# Altium PCB SmartIMU_Dev_Pcb.PcbDoc
Units mil, origin at the board's own origin, x right, y up, seen from the top; angles counter-clockwise.
Board outline 1259.84 x 2362.21 mil, 2 copper layers (Top Layer, Bottom Layer), stack 65.354 mil thick; 73 components, 85 nets, 373 pads, 193 vias.
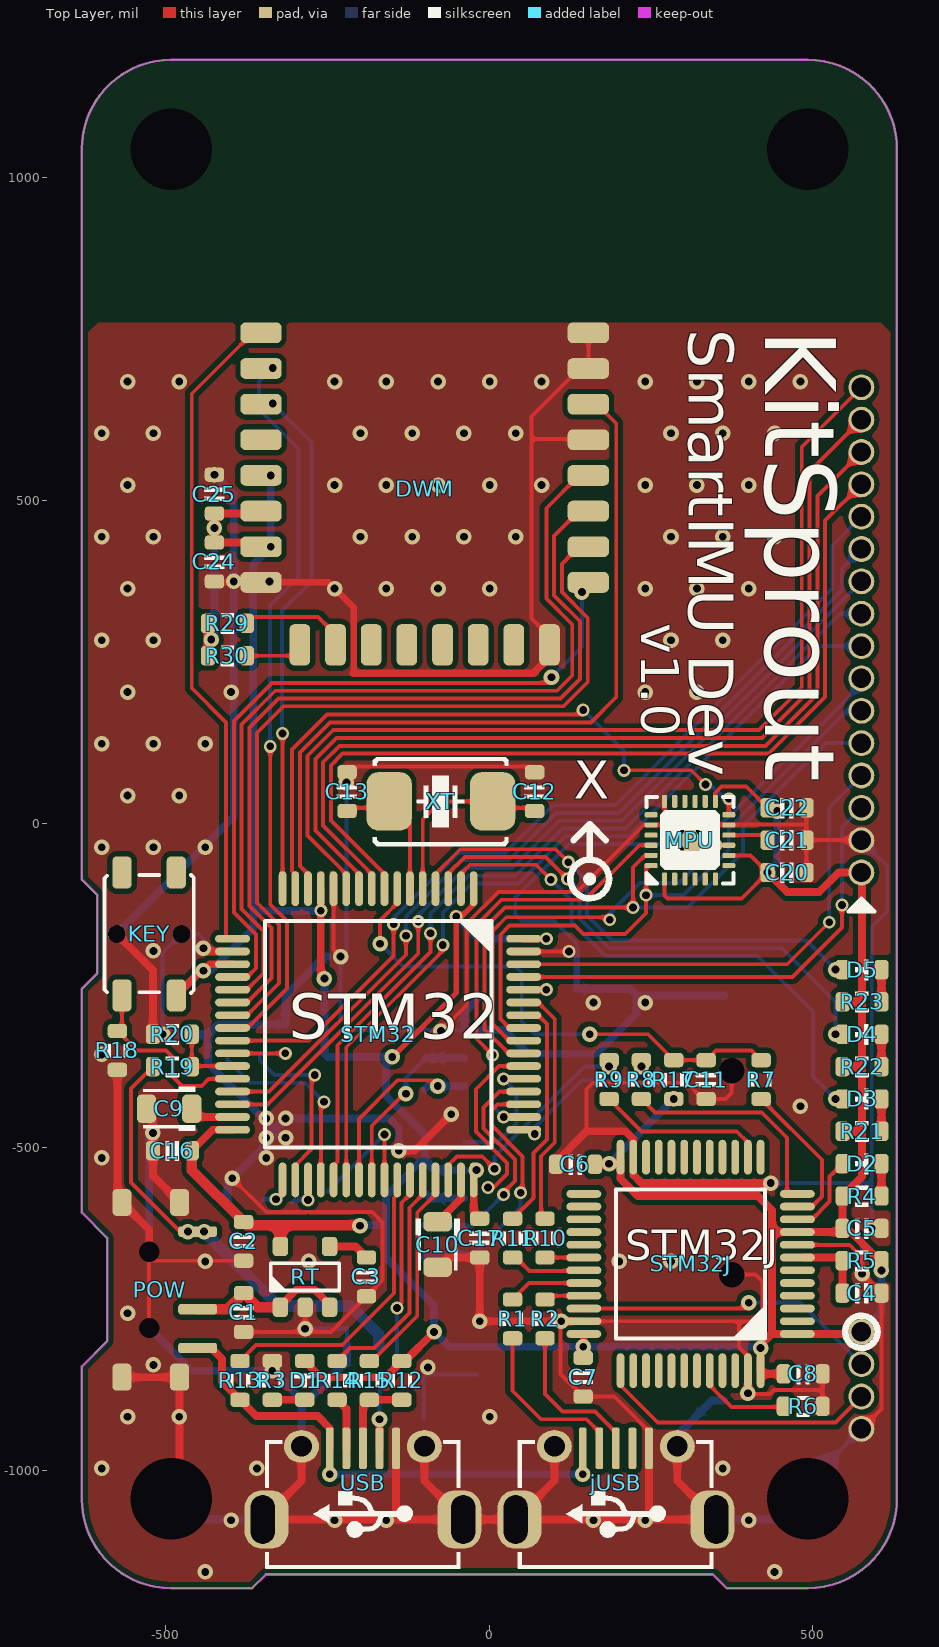
[diagram p0: Top Layer view]
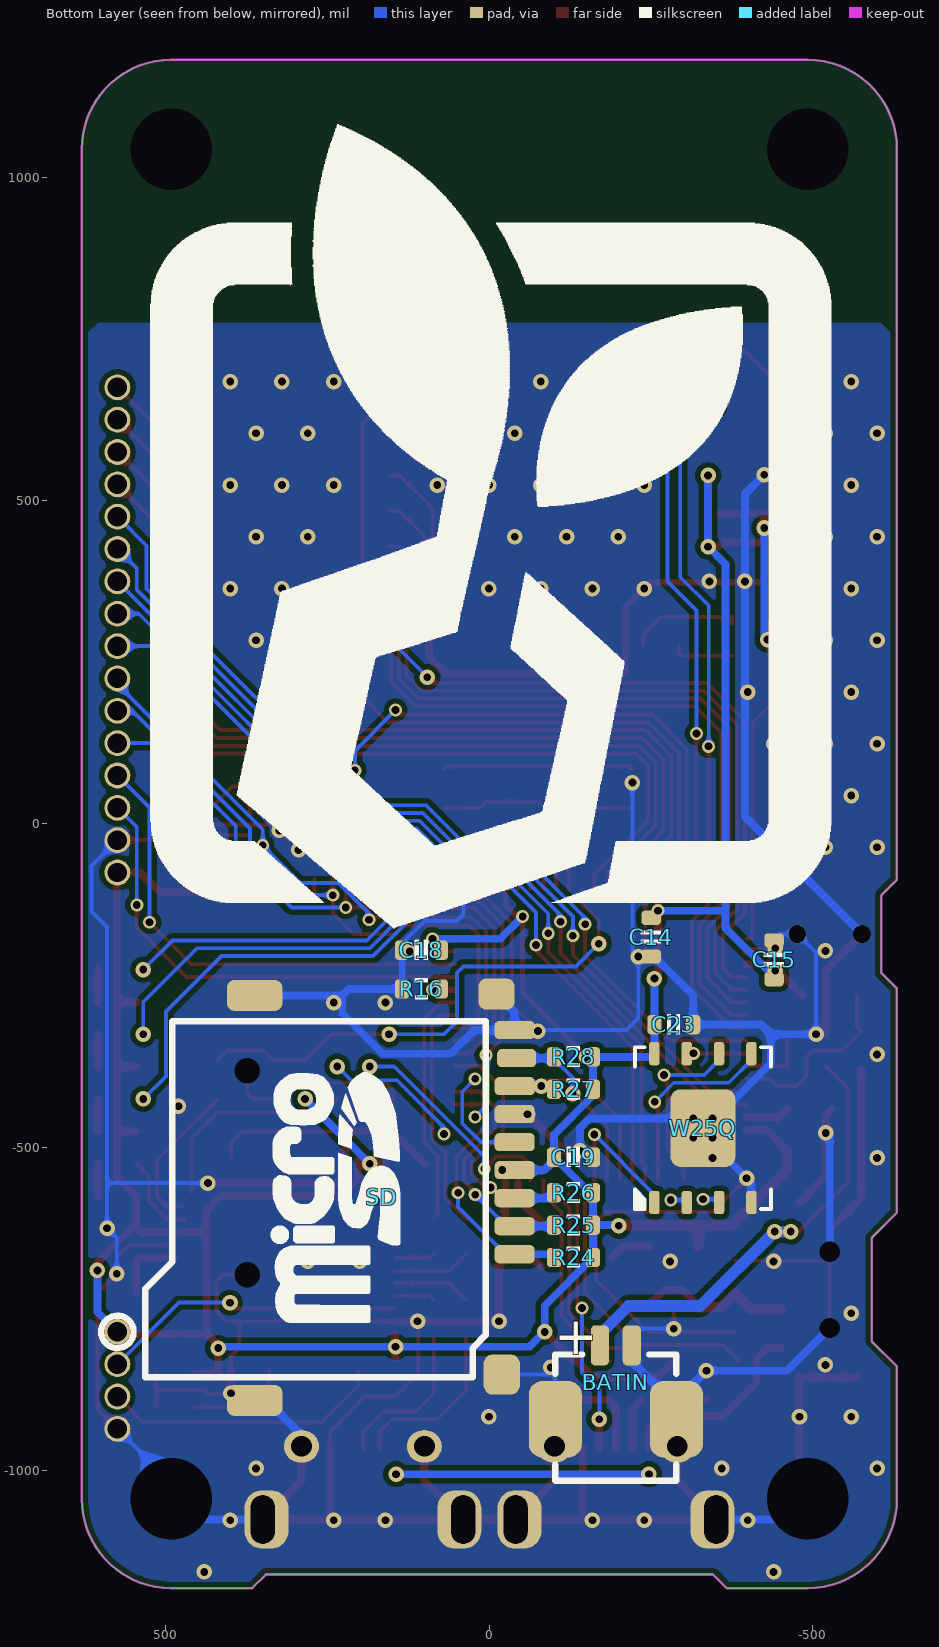
[diagram p1: Bottom Layer view, seen from below]
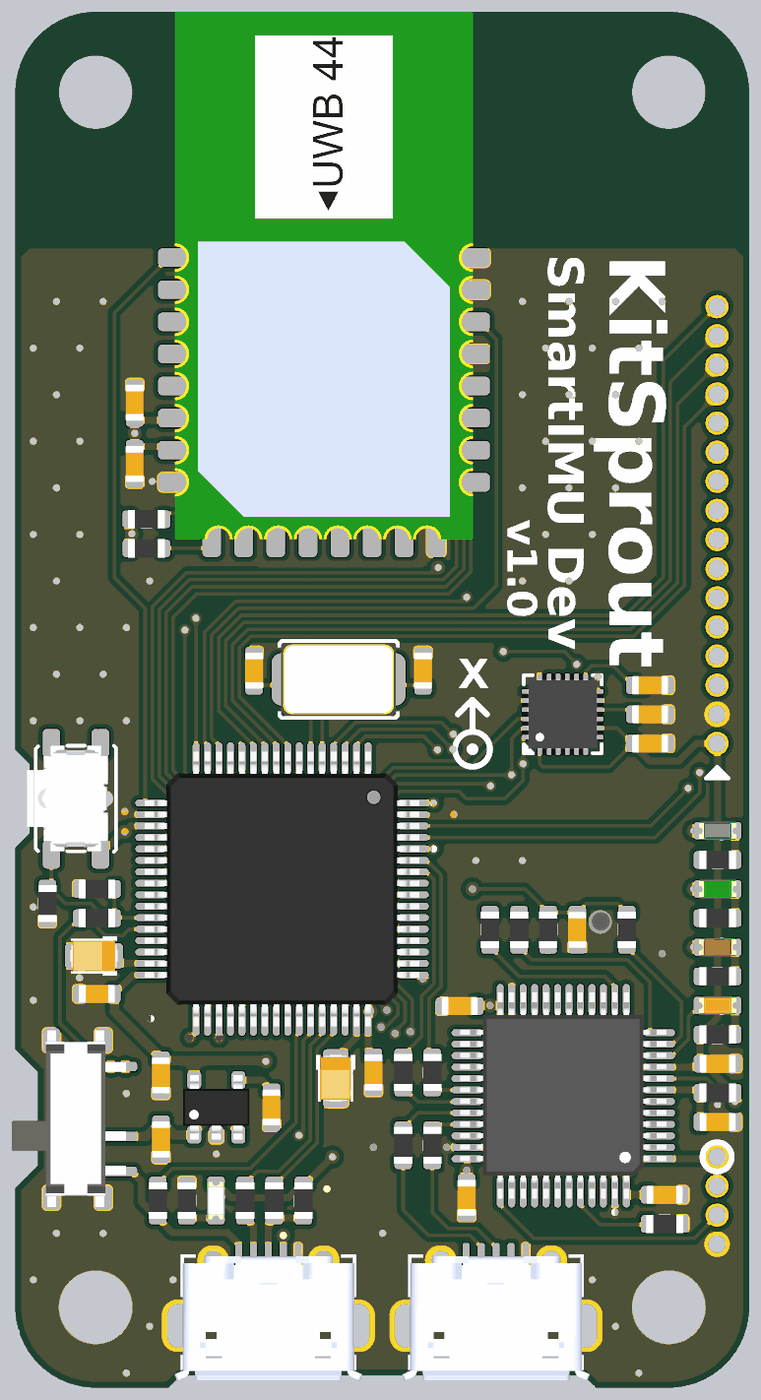
[diagram p2: 3D render of the assembled board from above, using the file's embedded part models]
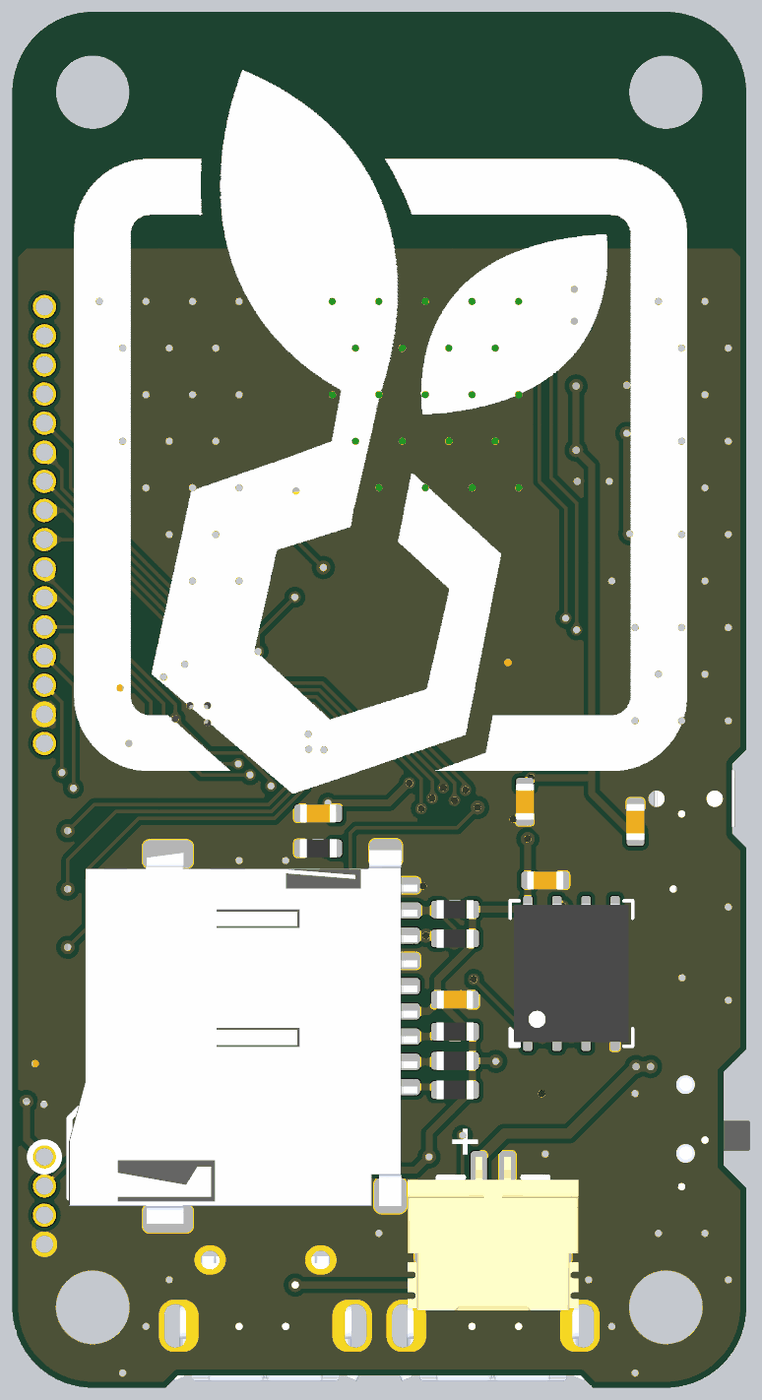
[diagram p3: 3D render of the assembled board from below, using the file's embedded part models]

## Layer stack, top to bottom
Top Solder: solder mask 0.3937, Solder Resist, Dk 3.5
Top Layer: signal copper 1.1811
Dielectric 1: dielectric 62.9921, FR-4, Dk 4.8
Bottom Layer: signal copper 1.1811
Bottom Solder: solder mask 0.3937, Solder Resist, Dk 3.5

## Board outline
629.92,1043.31 ccw(c492.13,1043.31) 492.13,1181.1 -492.13,1181.1 ccw(c-492.13,1043.31) -629.92,1043.31 -629.92,-86.02 -605.94,-109.99 -605.94,-230.54 -629.92,-254.52 -629.92,-600.59 -590.94,-639.57 -590.94,-799.57 -629.92,-838.54 -629.92,-1043.31 ccw(c-492.13,-1043.31) -492.13,-1181.1 -366.58,-1181.1 -345.47,-1160 345.47,-1160 366.58,-1181.1 492.13,-1181.1 ccw(c492.13,-1043.31) 629.92,-1043.31

## Design rules (kind name [scope] priority, off if disabled: settings)
BoardOutlineClearance [All] p1: gap=10 except(0: Arc-SplitContinuation Track-SplitContinuation SMDPad-SplitContinuation THPad-SplitContinuation Via-SplitContinuation Fill-SplitContinuation Poly-SplitContinuation Region-SplitContinuation Text-SplitContinuation)
Clearance ClearancePolygon [InPolygon] p1: gap=8
Clearance [All] p2: gap=6
ComponentClearance [All] p1: gap=0 collisioncheckmode=3 verticalgap=0 showdistances=FALSE
Height [All] p1: minheight=0 maxheight=5000 prefheight=500
HoleSize [All] p1: absolutevalues=TRUE maxlimit=200 minlimit=1 maxpercent=80.000 minpercent=20.000
HoleToHoleClearance [All] p1: gap=6 allowstackedmicrovias=TRUE
MinimumAnnularRing [All] p1: minimumring=4
MinimumSolderMaskSliver [All] p1: minsoldermaskwidth=0
PolygonConnect [All] p1: connectstyle=Direct reliefconductorwidth=10 reliefentries=4 polygonreliefangle="90 Angle" airgapwidth=10
RoutingVias [All] p1: holewidth=12 width=24 viastyle="Through Hole" minholewidth=12 minwidth=20 maxholewidth=28 maxwidth=50
SilkToSilkClearance [All] p1: silktosilkclearance=0
SilkToSolderMaskClearance [IsPad] p1: minsilkscreentomaskgap=0 clearancetoexposedcopper=TRUE
SolderMaskExpansion [All] p1: expansion=2
Width [All] p1: maxlimit=100 minlimit=6 preferedwidth=10
23 further rules are at their usual default settings.

## Components (designator, comment, footprint, x,y, rotation, side; value= is the part's Value field where it differs from the comment)
BATIN "MX1.25_2P" MX1.25_S90_2P -195.47,-920 r180 bottom
C1 "Cap_0603" CAP_0603 -380,-755 r90 top
C2 "Cap_0603" CAP_0603 -380,-645 r90 top
C3 "Cap_0603" CAP_0603 -190,-700 r90 top
C4 "Cap_0603" CAP_0603 575.95,-725 r180 top
C5 "Cap_0603" CAP_0603 575.95,-625 r180 top
C6 "Cap_0603" CAP_0603 133,-526 r0 top
C7 "Cap_0603" CAP_0603 145,-855 r90 top
C8 "Cap_0603" CAP_0603 485,-850 r180 top
C9 "Cap_Tan_0805" CAP_TAN_P0805 -495,-440 r180 top
C10 "Cap_Tan_0805" CAP_TAN_P0805 -80,-650 r270 top
C11 "Cap_0603" CAP_0603 335,-395 r90 top
C12 "Cap_0603" CAP_0603 70,50 r90 top
C13 "Cap_0603" CAP_0603 -220,50 r90 top
C14 "Cap_0603" CAP_0603 -250,-175 r270 bottom
C15 "Cap_0603" CAP_0603 -440,-210 r90 bottom
C16 "Cap_0603" CAP_0603 -490,-505 r180 top
C17 "Cap_0603" CAP_0603 -15,-640 r270 top
C18 "Cap_0603" CAP_0603 105,-195 r180 bottom
C19 "Cap_0603" CAP_0603 -130,-515 r180 bottom
C20 "Cap_0603" CAP_0603 460,-75 r180 top
C21 "Cap_0603" CAP_0603 460,-25 r180 top
C22 "Cap_0603" CAP_0603 460,25 r180 top
C23 "Cap_0603" CAP_0603 -285,-310 r180 bottom
C24 "Cap_0603" CAP_0603 -425,405 r270 top
C25 "Cap_0603" CAP_0603 -425,510 r90 top
D1 "LED_0603" LED_0603_YELLOW -285.47,-860 r270 top
D2 "LED_0603" LED_0603_ORANGE 575.95,-525 r180 top
D3 "LED_0603" LED_0603_RED 575.95,-425 r180 top
D4 "LED_0603" LED_0603_GREEN 575.95,-325 r180 top
D5 "LED_0603" LED_0603_BLUE 575.95,-225 r180 top
DWM "DWM1000" DWM1000 -100,275 r0 top
jUSB "USB_Micro" USB_Micro-AB 195.47,-1065 r180 top
KEY "ButtonTACT" ButtonTACT_3.5*3.55_90 -525.94,-169.99 r90 top
MPU "MPU925x" QFN_P0.4_24 310,-25 r90 top
POW "SwitchSPDT_2.8x6.6_90" SwitchSPDT_2.8X6.6_90 -525.94,-720 r270 top
R1 "Res_0603" RES_0603 35.95,-765 r90 top
R2 "Res_0603" RES_0603 85.95,-765 r90 top
R3 "Res_0603" RES_0603 -335.47,-860 r270 top
R4 "Res_0603" RES_0603 575.95,-575 r180 top
R5 "Res_0603" RES_0603 575.95,-675 r0 top
R6 "Res_0603" RES_0603 485,-900 r180 top
R7 "Res_0603" RES_0603 420,-395 r270 top
R8 "Res_0603" RES_0603 235,-395 r270 top
R9 "Res_0603" RES_0603 185,-395 r270 top
R10 "Res_0603" RES_0603 85.95,-640 r270 top
R11 "Res_0603" RES_0603 35.95,-640 r270 top
R12 "Res_0603" RES_0603 -135.47,-860 r270 top
R13 "Res_0603" RES_0603 -385.47,-860 r270 top
R14 "Res_0603" RES_0603 -235.47,-860 r270 top
R15 "Res_0603" RES_0603 -185.47,-860 r270 top
R16 "Res_0603" RES_0603 105,-255 r180 bottom
R17 "Res_0603" RES_0603 285,-395 r270 top
R18 "Res_0603" RES_0603 -575,-350 r90 top
R19 "Res_0603" RES_0603 -490,-375 r0 top
R20 "Res_0603" RES_0603 -490,-325 r180 top
R21 "Res_0603" RES_0603 575.95,-475 r0 top
R22 "Res_0603" RES_0603 575.95,-375 r0 top
R23 "Res_0603" RES_0603 575.95,-275 r0 top
R24 "Res_0603" RES_0603 -130,-670 r180 bottom
R25 "Res_0603" RES_0603 -130,-620 r180 bottom
R26 "Res_0603" RES_0603 -130,-570 r180 bottom
R27 "Res_0603" RES_0603 -130,-410 r180 bottom
R28 "Res_0603" RES_0603 -130,-360 r180 bottom
R29 "Res_0603" RES_0603 -405,310 r180 top
R30 "Res_0603" RES_0603 -405,260 r180 top
RT "RT9193" SOT23-5 -285,-700 r90 top
SD "SD_Card_TF" SD_Card_TF -39.06,-665 r90 bottom locked
STM32 "STM32F405R" LQFP_P0.5_64 -172,-325 r270 top
STM32J "STM32F072C" LQFP_P0.5_48 310.94,-680 r180 top
USB "USB_Micro" USB_Micro-AB -195.47,-1065 r180 top
W25Q "W25Q128FV" SON_P1.27H_8 -330,-470 r90 bottom
XT "XTAL_5032_2P" XT_5032_2 -75,35 r0 top

## Footprints (in the part's own frame and the unit in brackets; to place one, negate y for a bottom-side part, rotate by r counter-clockwise, add the part's x,y. Pads: shape width x height; smd on the part's side, far side on the other; paste and mask are expansions set on the pad)
ButtonTACT_3.5*3.55_90 [mil]
  round 27.56 hole 27.56 mask+0: 0(-0.01,-50) 0(0,50)
  rrect50% 50x30 smd: 1(-95,42) 2(-95,-42) 3(95,42) 4(95,-42)
  silkscreen extent -91,-69 91,69, body extent -90,-55 91,85, height 56
CAP_0603 [mil]
  rrect50% 22x30 smd: 1(-30,0) 2(30,0)
  silkscreen extent -10,-15 10,15, body extent -31,-16 31,16, height 31
CAP_TAN_P0805 [mil]
  rrect50% 30x44 smd: 1(-35,0) 2(35,0)
  silkscreen extent -40,-34 40,34, body extent -40,-27 40,27, height 59
DWM1000 [mil]
  rrect50% 64x32 smd: 1(-253,484.25) 2(-253,429.13) 3(-253,374.02) 4(-253,318.9) 5(-253,263.78) 6(-253,208.66) 7(-253,153.54) 8(-253,98.43) 17(253,98.43) 18(253,153.54) 19(253,208.66) 20(253,263.78) 21(253,318.9) 22(253,374.02) 23(253,429.13) 24(253,484.25)
  rrect50% 32x64 smd: 9(-192.91,2) 10(-137.8,2) 11(-82.68,2) 12(-27.56,2) 13(27.56,2) 14(82.68,2) 15(137.8,2) 16(192.91,2)
  body extent -256,0 256,906, height 114
LED_0603_BLUE [mil]
  rrect50% 22x30 smd: 1(-30,0) 2(30,0)
  silkscreen extent -10,-16 10,16, body extent -32,-16 32,16, height 24
LED_0603_GREEN [mil]
  rrect50% 22x30 smd: 1(-30,0) 2(30,0)
  silkscreen extent -10,-16 10,16, body extent -32,-16 32,16, height 24
LED_0603_ORANGE [mil]
  rrect50% 22x30 smd: 1(-30,0) 2(30,0)
  silkscreen extent -10,-16 10,16, body extent -32,-16 32,16, height 24
LED_0603_RED [mil]
  rrect50% 22x30 smd: 1(-30,0) 2(30,0)
  silkscreen extent -10,-16 10,16, body extent -32,-16 32,16, height 24
LED_0603_YELLOW [mil]
  rrect50% 22x30 smd: 1(-30,0) 2(30,0)
  silkscreen extent -10,-16 10,16, body extent -32,-16 32,16, height 24
LQFP_P0.5_48 [mil]
  oval 54x12 smd: 1(-165,108.27) 2(-165,88.58) 3(-165,68.9) 4(-165,49.21) 5(-165,29.53) 6(-165,9.84) 7(-165,-9.84) 8(-165,-29.53) 9(-165,-49.21) 10(-165,-68.9) 11(-165,-88.58) 12(-165,-108.27) 25(165,-108.27) 26(165,-88.58) 27(165,-68.9) 28(165,-49.21) 29(165,-29.53) 30(165,-9.84) 31(165,9.84) 32(165,29.53) 33(165,49.21) 34(165,68.9) 35(165,88.58) 36(165,108.27)
  oval 12x54 smd: 13(-108.27,-165) 14(-88.58,-165) 15(-68.9,-165) 16(-49.21,-165) 17(-29.53,-165) 18(-9.84,-165) 19(9.84,-165) 20(29.53,-165) 21(49.21,-165) 22(68.9,-165) 23(88.58,-165) 24(108.27,-165) 37(108.27,165) 38(88.58,165) 39(68.9,165) 40(49.21,165) 41(29.53,165) 42(9.84,165) 43(-9.84,165) 44(-29.53,165) 45(-49.21,165) 46(-68.9,165) 47(-88.58,165) 48(-108.27,165)
  silkscreen extent -115,-115 115,115, body extent -177,-178 177,177, height 61
LQFP_P0.5_64 [mil]
  oval 54x12 smd: 1(-225,147.64) 2(-225,127.95) 3(-225,108.27) 4(-225,88.58) 5(-225,68.9) 6(-225,49.21) 7(-225,29.53) 8(-225,9.84) 9(-225,-9.84) 10(-225,-29.53) 11(-225,-49.21) 12(-225,-68.9) 13(-225,-88.58) 14(-225,-108.27) 15(-225,-127.95) 16(-225,-147.64) 33(225,-147.64) 34(225,-127.95) 35(225,-108.27) 36(225,-88.58) 37(225,-68.9) 38(225,-49.21) 39(225,-29.53) 40(225,-9.84) 41(225,9.84) 42(225,29.53) 43(225,49.21) 44(225,68.9) 45(225,88.58) 46(225,108.27) 47(225,127.95) 48(225,147.64)
  oval 12x54 smd: 17(-147.64,-225) 18(-127.95,-225) 19(-108.27,-225) 20(-88.58,-225) 21(-68.9,-225) 22(-49.21,-225) 23(-29.53,-225) 24(-9.84,-225) 25(9.84,-225) 26(29.53,-225) 27(49.21,-225) 28(68.9,-225) 29(88.58,-225) 30(108.27,-225) 31(127.95,-225) 32(147.64,-225) 49(147.64,225) 50(127.95,225) 51(108.27,225) 52(88.58,225) 53(68.9,225) 54(49.21,225) 55(29.53,225) 56(9.84,225) 57(-9.84,225) 58(-29.53,225) 59(-49.21,225) 60(-68.9,225) 61(-88.58,225) 62(-108.27,225) 63(-127.95,225) 64(-147.64,225)
  silkscreen extent -175,-175 175,175, body extent -236,-236 236,236, height 59
MX1.25_S90_2P [mil]
  rrect50% 82x118 smd: 0(-93.58,0) 0(93.58,0)
  rrect50% 28x62 smd: 1(-24.61,114) 2(24.61,114)
  silkscreen extent -94,-95 94,100, body extent -147,-129 147,135, height 98
QFN_P0.4_24 [mil]
  rrect50% 20x8 smd: 1(-60,39.37) 2(-60,23.62) 3(-60,7.87) 4(-60,-7.87) 5(-60,-23.62) 6(-60,-39.37) 13(60,-39.37) 14(60,-23.62) 15(60,-7.87) 16(60,7.87) 17(60,23.62) 18(60,39.37)
  rrect50% 8x20 smd: 7(-39.37,-60) 8(-23.62,-60) 9(-7.87,-60) 10(7.87,-60) 11(23.62,-60) 12(39.37,-60) 19(39.37,60) 20(23.62,60) 21(7.87,60) 22(-7.87,60) 23(-23.62,60) 24(-39.37,60)
  rrect20% 32x32 smd: 25(0,0)
  silkscreen extent -67,-67 67,67, body extent -60,-60 60,60, height 39
RES_0603 [mil]
  rrect50% 22x30 smd: 1(-30,0) 2(30,0)
  silkscreen extent -10,-16 10,16, body extent -31,-16 31,16, height 18
SD_Card_TF [mil]
  rrect50% 48x86 smd: 0(-226,402) 0(400,402)
  rrect50% 62x56 smd: 0(-186,20)
  round 30 hole 39.37 mask+0: 0(-31.5,413.39) 0(283.46,413.39)
  rrect50% 48x56 smd: 0(402,28)
  rrect50% 28x62 smd: 1(0,0) 2(43.31,0) 3(86.61,0) 4(129.92,0) 5(173.23,0) 6(216.54,0) 7(259.84,0) 9(346.46,0)
  rrect50% 28x60 smd: 8(303.15,-3)
  silkscreen extent -190,45 360,571, body extent -235,-27 407,572, height 79
SON_P1.27H_8 [mil] "SON, 8-Leads, Body 5.00x6.00mm, Pitch 1.27mm, Thermal Pad 3.40x4.30mm, IPC High Density"
  rrect50% 36x16 smd: 1(-115,75) 2(-115,25) 3(-115,-25) 4(-115,-75) 5(115,-75) 6(115,-25) 7(115,25) 8(115,75)
  rrect30% 120x100 smd paste-84.65: 9(0,0)
  silkscreen extent -125,-105 125,105, body extent -119,-98 119,98, height 30
SOT23-5 [mil]
  rrect50% 30x24 smd: 1(-47,38) 2(-47,0) 3(-47,-38) 4(47,-38) 5(47,38)
  silkscreen extent -21,-53 21,53, body extent -55,-57 55,57, height 57
SwitchSPDT_2.8X6.6_90 [mil]
  rrect50% 42x30 smd: 0(-135,-42) 0(-135,47) 0(135,-42) 0(135,47)
  round 10 hole 31.5: 0(-59.06,0) 0(59.06,0)
  rrect50% 16x60 smd: 1(90,75) 2(30,75) 3(-90,75)
  body extent -152,-111 151,86, height 55
USB_Micro-AB [mil]
  rrect80% 68x90 hole 37 slot 75 at 90 deg copper offset 6,0 mask+0: 0(-155,10)
  oval 54x50 hole 32 mask+0: 0(-95,-103) 0(95,-103)
  rrect80% 68x90 hole 37 slot 75 at 90 deg copper offset -6,0 mask+0: 0(155,10)
  rrect50% 12x64 smd: 1(51.18,-100) 2(25.59,-100) 3(0,-100) 4(-25.59,-100) 5(-51.18,-100)
  silkscreen extent -150,-113 150,86, body extent -161,-109 161,104, height 108
XT_5032_2 [mil]
  rrect50% 70x90 smd: 1(-80,0) 2(80,0)
  silkscreen extent -104,-68 104,68, body extent -98,-63 98,63, height 39

## Part data
BATIN: "MX"
C1 C2 C3 C4 C5 C6 C7 C8 C9 C10 C11 C12 C13 C14 C15 C16 C17 C18 C19 C20 C21 C22 C23 C24 C25: "Capacitor"
D1 D2 D3 D4 D5: "LED"
DWM: "Module"
jUSB USB: "USB"
KEY: "Button"
MPU: "Sensor Motion"
POW: "Switch"
R1 R2 R3 R4 R5 R6 R7 R8 R9 R10 R11 R12 R13 R14 R15 R16 R17 R18 R19 R20 R21 R22 R23 R24 R25 R26 R27 R28 R29 R30: "Resistor"
RT: "Power"
SD: "SD"
STM32: "MCU"
STM32J: library part STM32F103C, "MCU"
W25Q: library part W25Q_8, "FLASH"
XT: "Crystal Oscillator"

## Free pads (board coordinates)
  round 115 hole 126 paste+0 mask+0: 0(-492.13,-1043.31) 0(492.13,-1043.31)
  round 115 hole 126 unplated paste+0 mask+0: 0(-492.13,1043.31) 0(492.13,1043.31)
  round 40 hole 30: 0(575,-935) 0(575,-885) 0(575,-835) 0(575,-785) 0(575,-75) 0(575,-25) 0(575,25) 0(575,75) 0(575,125) 0(575,175) 0(575,225) 0(575,275) 0(575,325) 0(575,375) 0(575,425) 0(575,475) 0(575,525) 0(575,575) 0(575,625) 0(575,675)

## Via types
v1: diameter 24, hole 12, Top Layer to Bottom Layer, 153 vias
v2: diameter 20, hole 12, Top Layer to Bottom Layer, 40 vias

## Nets (pads, with @x,y where several pads share a name; then routed paths per layer and width w, separated by ;. In a path a pad name is that pad's centre, name@x,y a point inside that pad or via, vN(x,y) a via of type N, cw(c..) or ccw(c..) an arc to the next point about the centre after c; other vN are vias at no path point)
3V3: C2.2 C5.2 C6.2 C7.2 C8.2 C14.1 C15.1 C16.1 C17.1 C18.2 C19.1 C20.2 C22.2 C23.1 C24.1 C25.1 D1.1 DWM.5 DWM.6 DWM.7 KEY.2 MPU.1 MPU.8 MPU.13 pad.0@575,-75 pad.0@575,-785 R4.2 R5.2 R12.1 R17.2 R21.1 R22.1 R23.1 R24.2 R25.2 R26.2 R27.2 R28.2 R29.2 R30.2 RT.5 SD.4 STM32.1 STM32.13 STM32.19 STM32.32 STM32.48 STM32.64 STM32J.1 STM32J.9 STM32J.24 STM32J.36 STM32J.48 W25Q.8 | length 6680.1
  Top Layer w6: MPU.1 270.63,-110.63 275,-115 390,-115 v1(430,-75) 403.62,-48.62 MPU.8 ; MPU.13 349.37,48.37 359,58 397,58 C22.2
  Top Layer w8: v1(-150,-360) -51.36,-261.36 v2(-51.36,-143) ; v2@-47.5,-147.5 -24.36,-124.36 STM32.1
  Top Layer w12: KEY.2 -445.68,-226.73 v1(-442,-226.73) -432,-216.73 STM32.19 ; C16.1 -427.64,-472.64 STM32.32 ; R30.2 R29.2 ; DWM.6@-356.66,480 C25.1 v1(-425,457.5) C24.1 -359.46,435 DWM.7 ; D1.1 -260.47,-855 -160.47,-855 R12.1 -130.47,-830 v1(-85.47,-785) ; STM32.13 v2(-260.58,-134) -260.58,-233.42 v1(-255,-239) ; STM32.48@-24.36,-555 -24.36,-607.64 C17.1@-22,-610 ; STM32.64 v2(88,-177.36) ; C7.2 145.94,-824.06 STM32J.36 ; C6.2@160,-525 v1(185,-525) STM32J.24@202.68,-525 ; STM32J.24@202.68,-520 STM32J.24@202.68,-525 ; v1@416.71,-807.5 435.95,-788.27 ; STM32J.48 v1(419.21,-810) ; STM32J.48@419.29,-850 C8.2 ; v1(430,-75) 460,-105 510,-105 540,-75 575,-75 575.95,-75.94 575.95,-275 ; STM32J.1 436.95,-788.27 436.95,-630.79 ; STM32J.9 436.95,-630.79 ; STM32J.1@485.94,-788.27 571.73,-788.27 pad.0@575,-785 ; STM32J.9@485.95,-630.79 540.16,-630.79 C5.2 ; R21.1 575.95,-475 ; R22.1 575.95,-375 ; R23.1 575.95,-275 ; pad.0@572.68,-788.27 pad.0@575.95,-788.27 ; v1(605.95,-690) R5.2@605.95,-688.79 ; R5.2@605.95,-677.79 545.95,-617.79 R4.2 575.95,-545 575.95,-475 ; STM32J.24@202.68,-525 202.68,-548.13 229.54,-575 415,-575 436.95,-596.94 436.95,-630.79 ; 575.95,-475 575.95,-375 ; 575.95,-375 575.95,-275
  Top Layer w16: C16.1 -460,-535 C2.2 -375,-620 -323,-620 ; RT.5 -323,-620 ; v1@-200,-620 -323,-620
  Bottom Layer w12: v1(-442,-226.73) -430.73,-226.73 -365,-161 -365,-134 ; v1(-430,285) -425,290 v1(-425,457.5) ; v1(-338,538.78) v1(-338,428.54) -365,401.54 -365,-134 ; v2(-260.58,-134) -365,-134 ; v1(-255,-239) C23.1 W25Q.8 -250,-360 R28.2 R27.2 -160,-420 -100,-480 C19.1 ; v1@-200,-620 R25.2 ; v1(-85.47,-785) -85.47,-744.53 R24.2 R25.2 ; v1@-85,-785 -62,-808 v1(145,-808) v1@419.21,-808 ; v2(-51.36,-143) -17,-177.36 v2(88,-177.36) ; SD.4 -84.92,-535.08 -102.5,-517.5 -155,-570 R26.2 R25.2 ; v1(185,-525) v1(285,-425) ; v1(430,-75) 445,-60 v1(445,20) ; pad.0@575,-785 605.95,-754.06 v1(605.95,-690)
  other v1: -200,-621 -20,-535
ADC: R19.2 R20.1 STM32.27 | length 113.3
  Top Layer w6: R20.1 R19.2 -459.21,-374.21 STM32.27
BOOT: R16.2 STM32.60 | length 35
  Top Layer w10: STM32.60 v2(88,-256.1)
D_CSD: DWM.17 STM32.20 | length 1103.9
  Top Layer w6: STM32.20 -374.47,-236.42 -361,-222.95 -361,-170.61 -395,-136.61 -395,158.94 -335.94,218 v1@96,218
  Bottom Layer w6: v1(96,227) 143,274 v1(143,358.43)
D_EXT: DWM.1 STM32.17 | length 1020.4
  Top Layer w6: STM32.17 -407,-177.36 -407,157 -460,210 -460,665 -365.75,759.25 DWM.1
D_IRQ: DWM.22 STM32.14 | length 1218.1
  Top Layer w6: STM32.14 -280.27,-77.47 -293,-64.74 -293,110.39 -246.29,157.1 157.1,157.1 196,196 196,619 163.9,651.1 DWM.22@154.29,651.1
D_PHA: DWM.9 R30.1 | length 99.1
  Top Layer w6: R30.1 -292.91,260 DWM.9
D_POL: DWM.10 R29.1 | length 174.3
  Top Layer w6: R29.1 -375,320 -265,320 -237.8,292.8 DWM.10
D_RST: DWM.3 STM32.16 | length 793.5
  Top Layer w6: v2(-320,140) -319.71,139.71 -319.71,-99.93 STM32.16
  Bottom Layer w6: v1(-335,650) -275,590 -275,375 -320.29,329.71 v2@-320.29,140.29
D_SCK: DWM.20 STM32.21 | length 1360.7
  Top Layer w6: STM32.21 -374.47,-256.1 -349,-230.63 -349,-165.64 -383,-131.64 -383,153.97 -330.97,206 104.7,206 128,229.3 128,308.44 88,348.44 88,488 138.78,538.78 DWM.20
D_SDI: DWM.18 STM32.23 | length 1288.3
  Top Layer w6: STM32.23 -374.28,-295.47 -325,-246.19 -325,-155.69 -359,-121.69 -359,141 -318,182 114.64,182 152,219.36 152,318.38 112,358.38 112,402 138.54,428.54 DWM.18
D_SDO: DWM.19 STM32.22 | length 1325.4
  Top Layer w6: STM32.22 -374.47,-275.79 -337,-238.32 -337,-160.67 -371,-126.67 -371,149 -326,194 109.67,194 140,224.33 140,313.41 100,353.41 100,445 138.66,483.66 DWM.19
D_WAK: DWM.2 STM32.24 | length 1131.4
  Top Layer w6: STM32.24 -373.97,-315.16 -313,-254.19 -313,-150 -338.71,-124.29 v2(-338.71,120)
  Bottom Layer w6: v2(-338.71,120) -339,120.29 -339,337.46 -295,381.46 -295,580 -356,641 -356,684 v1(-335,705)
F_CSF: STM32.41 W25Q.1 | length 194.2
  Top Layer w6: STM32.41 v2(-162.16,-480)
  Bottom Layer w6: W25Q.1@-250,-567.84 v2(-162.16,-480)
F_HOD: STM32.26 W25Q.7 | length 81.5
  Top Layer w6: STM32.26 v2(-315.47,-354.53)
F_SCK: STM32.34 W25Q.6 | length 278.9
  Top Layer w6: STM32.34 -299.95,-527.47 -275,-502.52 -275,-393 v2(-270,-388)
  Bottom Layer w6: W25Q.6 -355,-365 -332,-388 v2(-270,-388)
F_SDI: STM32.36 W25Q.5 | length 308.8
  Top Layer w6: STM32.36 -260.58,-434.42 v2(-255.58,-429.42)
  Bottom Layer w6: W25Q.5 -405,-365 -370,-400 -285,-400 v2(-255.58,-429.42)
F_SDO: STM32.35 W25Q.2 | length 26.4
  Bottom Layer w6: W25Q.2 -301,-581 v2(-280.27,-581)
F_WP: STM32.33 W25Q.3 | length 27.1
  Bottom Layer w6: W25Q.3 -350,-580 v2(-330,-580)
GND: BATIN.0 BATIN.2 C1.1 C2.1 C3.1 C4.1 C5.1 C6.1 C7.1 C8.1 C9.2 C10.2 C11.1 C12.2 C13.2 C14.2 C15.2 C16.2 C17.2 C18.1 C19.2 C20.1 C21.1 C22.1 C23.2 C24.2 C25.2 DWM.8 DWM.16 DWM.21 DWM.23 DWM.24 jUSB.0 jUSB.5 KEY.0 MPU.11 MPU.18 MPU.20 MPU.25 pad.0@492.13,-1043.31 pad.0@575,-25 pad.0@575,-935 pad.0@-492.13,-1043.31 POW.0 R3.1 R6.1 R16.1 R18.1 R20.2 RT.2 SD.0 SD.6 SD.9 STM32.12 STM32.18 STM32.63 STM32J.8 STM32J.23 STM32J.35 STM32J.47 USB.0 USB.5 W25Q.4 W25Q.9 | length 14631.8
  Top Layer w6: POW.0@-525.94,-779.06 -525.94,-675 C2.1 ; v1(-442,-192.05) v1@-437,-197.05 ; v1(-397.5,-547.5) -345,-600 -181,-600 -165,-616 -165,-705 C3.1 -245,-785 v1@-285,-785 ; C1.1 v1@-285,-785 ; RT.2 v1(-285,-780) v1@-285,-785 ; STM32.12 -240.9,-194.1 v1(-230,-205) ; C13.2@-220,85 -220,89 66,89 C12.2@70,85 ; v1(-75,-320) -35,-280 -35,-154.06 14.06,-105 135,-105 238.62,-1.38 MPU.20 270.63,-1.38 ; STM32.63 v2(123,-197.05) ; DWM.16 92.91,290 65,317.91 65,595 ; v1(110.95,-768.58) 109.95,-769.58 109.95,-849.95 C7.1 192.92,-885 212.48,-904.56 246.65,-938.74 jUSB.5 ; STM32J.35 386.06,-768.58 ; 150,-475 150,-410 160,-400 305,-400 330,-425 365,-425 374.33,-415.67 SD.0@374.33,-381.53 ; DWM.21 151.9,595 65,595 ; DWM.23 DWM.23@153,718 ; DWM.24 DWM.23@153,718 ; MPU.18 270.63,-1.38 ; SD.0@374.33,-696.5 411.5,-696.5 421.95,-706.94 421.95,-753.06 406.42,-768.58 386.06,-768.58 ; v1(399.53,-880) 400.53,-881 434,-881 440,-875 515,-875 ; STM32J.47 399.53,-822.47 386.06,-809 386.06,-768.58 ; STM32J.8@485.95,-650.47 556.92,-650.47 575.95,-669.49 v1(575.95,-695) C4.1 605.95,-904.06 pad.0@575,-935 ; C20.1 C21.1 ; C22.1 490,0 ; R6.1 515,-875 ; C8.1 515,-875 ; pad.0@575,-25 C21.1 ; 65,595 65,630 DWM.23@153,718 ; 270.63,-1.38 286.38,-1.38 v1(295,-10) MPU.25 v1(325,-10) 333.62,-1.38 MPU.11 370,-1 489,-1 490,0 ; C21.1 490,0
  Top Layer w10: C24.2 -423.43,373.43 DWM.8 -248.43,373.43 -210,335 -210,233
  Top Layer w12: KEY.0@-575.94,-169.99 -520,-225.94 R20.2 ; R18.1 -575,-577.94 -567.94,-585 -525.94,-627 POW.0@-525.94,-660.94 ; POW.0@-567.94,-855 -478.94,-855 -478.94,-1030.13 pad.0@-492.13,-1043.31 ; C9.2 -520,-450 v1(-520,-477.5) C16.2 -520,-543.94 POW.0@-478.94,-585 ; v1@-437,-197.05 STM32.18 ; USB.0@-290.47,-962 -290.47,-1015 -350.47,-1075 -144.29,-1075 ; -210,233 68,233 92.91,257.91 DWM.16 ; USB.5 -144.29,-1075 ; v1(-140,-505) -115.59,-505 v1(-59.06,-448.46) ; USB.0@-100.47,-962 -100.47,-1015 USB.0@-40.47,-1075 ; C10.2 -65,-670 C17.2 v1(-15,-768.58) v1(110.95,-768.58) STM32J.35 ; C6.1@100,-525 150,-475 210,-475 222.36,-487.36 STM32J.23 222.36,-542.36 235,-555 v1(435,-555) ; jUSB.0@100.47,-962 100.47,-1015 jUSB.0@40.47,-1075 ; jUSB.5 v1@246.65,-1075 ; jUSB.0@290.47,-962 290.47,-1015 350.47,-1075 v1@246.65,-1075 ; v1(399.53,-880) STM32J.47 ; -144.29,-1075 USB.0@-40.47,-1075 ; USB.0@-40.47,-1075 jUSB.0@40.47,-1075 ; jUSB.0@40.47,-1075 v1@246.65,-1075
  Bottom Layer w6: v1(-505,-325) -505,-199.06 -475.94,-170 -450,-170 C15.2 ; v1(-285,-780) -220.08,-780 BATIN.2 ; v1(-221,64) -221,-196 v1(-230,-205) -230,-300 -211.46,-318.54 SD.9 ; BATIN.0@-101.9,-920 -101.9,-856.9 -96,-851 SD.0@-19.06,-851 ; C18.1 135,-185 100,-150 50,-150 40,-140 40,-113.85 122.85,-31 286,-31 v1(295,-40) ; v1(435,-555) 590.95,-555 ; pad.0@492.13,-1043.31 492.13,-1017.87 pad.0@575,-935 ; pad.0@575,-25 615,-65 615,-135 590.95,-159.06 590.95,-555 ; v1(575.95,-695) 575.95,-640 v1(590.95,-625) 590.95,-555
  Bottom Layer w10: R16.1 C18.1
  Bottom Layer w12: KEY.0@-575.94,-169.99 -395,10.95 v1(-395,375) -395,510 v1(-425,540) ; POW.0@-525.94,-779.06 -460,-845 v1(-335.47,-845) -290.47,-890 BATIN.0@-290.47,-900.47 ; POW.0@-525.94,-660.94 -525.94,-483.44 v1(-520,-477.5) ; v1(-505,-325) -435,-325 ; pad.0@-492.13,-1043.31 -460.43,-1075 -350.47,-1075 USB.0@-330.79,-1075 ; W25Q.4 -405,-555 v1(-397.5,-547.5) -327.3,-477.3 -347.3,-457.3 -435,-369.61 -435,-325 ; W25Q.9 v1(-315,-455) -155,-455 -140,-470 v1(-140,-505) ; USB.0@-290.47,-962 BATIN.0@-290.47,-900.47 ; C14.2 -254.94,-205 -315,-265.06 C23.2 -420,-310 -435,-325 ; BATIN.2 -220.08,-830.08 BATIN.0@-290.47,-900.47 ; SD.0@-11.06,-263 -39.06,-291 SD.9 23.54,-318.54 60,-355 165,-355 227.5,-292.5 227.5,-265 ; R16.1 217.5,-255 227.5,-265 ; jUSB.0@290.47,-962 290.47,-944.53 344,-891 SD.0@362.94,-891 ; jUSB.0@330.79,-1075 350.47,-1075 460.43,-1075 pad.0@492.13,-1043.31 ; SD.0@362.94,-265 227.5,-265
  other v1: -439.29,-1156.1 440.71,-1156.1 -399.29,-1076.1 -239.29,-1076.1 -159.29,-1076.1 160.71,-1076.1 240.71,-1076.1 400.71,-1076.1 -599.29,-996.1 -359.29,-996.1 360.71,-996.1 -559.29,-916.1 -479.29,-916.1 0.71,-916.1 -95,-840 -519.29,-836.1 -559.29,-756.1 -439.29,-676.1 -279.29,-676.1 200.71,-676.1 280.71,-676.1 -599.29,-516.1 -345,-516.21 -345,-485 -315,-485 -345,-455 480.71,-436.1 -599.29,-356.1 160.71,-276.1 240.71,-276.1 -519.29,-196.1 -599.29,-36.1 -519.29,-36.1 -439.29,-36.1 -559.29,43.9 -479.29,43.9 -599.29,123.9 -519.29,123.9 -439.29,123.9 -559.29,203.9 -399.29,203.9 240.71,203.9 320.71,203.9 -599.29,283.9 -519.29,283.9 280.71,283.9 360.71,283.9 -559.29,363.9 -239.29,363.9 -159.29,363.9 -79.29,363.9 0.71,363.9 240.71,363.9 320.71,363.9 400.71,363.9 -340,375 -599.29,443.9 -519.29,443.9 -199.29,443.9 -119.29,443.9 -39.29,443.9 40.71,443.9 280.71,443.9 360.71,443.9 440.71,443.9 -559.29,523.9 -239.29,523.9 -159.29,523.9 -79.29,523.9 0.71,523.9 80.71,523.9 240.71,523.9 320.71,523.9 400.71,523.9 -599.29,603.9 -519.29,603.9 -199.29,603.9 -119.29,603.9 -39.29,603.9 40.71,603.9 280.71,603.9 360.71,603.9 440.71,603.9 -559.29,683.9 -479.29,683.9 -239.29,683.9 -159.29,683.9 -79.29,683.9 0.71,683.9 80.71,683.9 240.71,683.9 320.71,683.9 400.71,683.9 480.71,683.9
JBOOT: R6.2 STM32J.44 | length 150.9
  Top Layer w6: STM32J.44 340.47,-867.53 373.94,-901 R6.2@455,-901
JRST: C11.2 R7.1 R17.1 STM32.7 | length 815.9
  Top Layer w6: v1(-169,-185) -169,-149.06 -142.47,-122.53 STM32.7 ; v1(155,-325) 245,-325 R17.1 C11.2 350,-350 405,-350 R7.1
  Bottom Layer w6: v1(-169,-185) -134,-220 40,-220 50,-230 50,-305 70,-325 v1(155,-325)
JRX: R11.1 STM32.58 | length 364.6
  Top Layer w6: R11.1 68,-577.94 68,-508.52 89,-487.52 89,-308.94 75.53,-295.47 STM32.58
JSC: R8.1 STM32.49 | length 211.7
  Bottom Layer w6: v2@64.5,-474.5 143,-396 214,-396 v1(235,-375)
  other v2: 70,-479
JSD: R9.1 STM32.46 | length 364.1
  Top Layer w6: STM32.46 -63.73,-527.47 -50.26,-514 -11,-514 v2(8,-533) v2@10,-535
  Bottom Layer w6: v2(8,-533) 8,-514 147,-375 v1(185,-375)
JSWCLK: pad.0@575,-885 STM32J.37 | length 435.2
  Top Layer w6: STM32J.37 202.68,-867.53 260.15,-925 535,-925 pad.0@575,-885
JSWDIO: pad.0@575,-835 STM32J.34 | length 467.5
  Top Layer w6: STM32J.34 v1@400,-748.9
  Bottom Layer w6: v1(400.95,-739.9) 479.9,-739.9 pad.0@575,-835
JTX: R10.1 STM32.59 | length 378.5
  Top Layer w6: STM32.59 75.53,-275.79 101,-301.26 101,-492.49 80,-513.49 80,-604.06 R10.1
JUSB_DM: R1.2 STM32J.32 | length 120.6
  Top Layer w6: R1.2 61.42,-709.53 STM32J.32
JUSB_DP: R2.2 STM32J.33 | length 62.4
  Top Layer w6: R2.2 91.73,-729.21 STM32J.33
KEY: KEY.1 R18.2 STM32.28 | length 293
  Top Layer w6: KEY.1 -567.94,-312.94 R18.2 -545,-350 -500,-350 -490,-360 -490,-390 -475.32,-404.68 -444.68,-404.68 -433.9,-393.9 STM32.28
LED: D2.2 STM32J.10 | length 133.3
  Top Layer w6: STM32J.10@470.95,-611.1 STM32J.10 498.47,-611.1 525.95,-583.63 525.95,-545 D2.2
LED_B: D5.2 STM32.4 | length 765.2
  Top Layer w6: STM32.4 -83.42,-77.42 -45,-39 102,-39 v2(122,-59)
  Bottom Layer w6: v2(122,-59) 151,-88 151,-141.39 189.61,-180 490,-180 v1(535,-225)
LED_G: D4.2 STM32.3 | length 800.8
  Top Layer w6: STM32.3 -63.73,-76.73 -38,-51 87,-51 v2(121,-85)
  Bottom Layer w6: v2(121,-85) 139,-103 139,-146.36 184.64,-192 452,-192 535,-275 v1(535,-325)
LED_R: D3.2 STM32.2 | length 835.9
  Top Layer w6: STM32.2 -44.05,-77.05 -30,-63 72,-63 v2(95,-86)
  Bottom Layer w6: v2(95,-86) 127,-118 127,-151.33 179.67,-204 414,-204 500,-290 500,-390 v1(535,-425)
M_CSM: MPU.22 STM32.50 | length 641.7
  Top Layer w6: v2(5,-357) -20,-332 -20,-156.03 19.03,-117 148,-117 232.13,-32.87 MPU.22
  Bottom Layer w6: v2@12,-356 2,-366 2,-432.95 v2(22,-452.95)
M_INT: MPU.12 STM32.15 | length 1005.5
  Top Layer w6: STM32.15 -299.95,-77.47 -305,-72.42 -305,115.36 -251.26,169.1 v2@145,169.1 ; v2(208,83) 312,83 v2(334,61) ; MPU.12 370,38.71 v2(370.29,39)
  Bottom Layer w6: v2(145,176.1) 208,113.1 v2(208,83) ; v2@339.29,63 v2@365.29,37
M_SCK: MPU.23 pad.0@575,125 STM32.55 | length 1053.7
  Top Layer w6: -7.71,-316.9 -7.71,-160.71 24,-129 v2@221.03,-129 ; -7.63,-317.37 STM32.55@30,-355 ; STM32.55@29.92,-354.53 STM32.55 ; v2(222.03,-129) 222.03,-66.78 240.19,-48.62 MPU.23
  Bottom Layer w6: v2(222.03,-129) 306,-129 392,-43 392,-3 520,125 pad.0@575,125
M_SDI: MPU.24 pad.0@575,175 STM32.57 | length 966
  Top Layer w6: STM32.57 30.47,-315.16 17,-301.69 17,-171.15 31.29,-156.85 131.85,-156.85 145,-170 210,-170 242,-138 v2(242,-110) 242,-64.37 MPU.24
  Bottom Layer w6: v2@243,-110 300.04,-110 370,-40.04 370,-6.97 pad.0@563.49,186.51
M_SDO: MPU.9 pad.0@575,225 STM32.56 | length 957.4
  Top Layer w6: STM32.56 30.47,-334.84 5,-309.37 5,-165.19 26.03,-144.15 v2@186,-144.15 ; v2@350,-32.87 v2(350.29,-32.87)
  Bottom Layer w6: v2@180.5,-143.5 233,-91 292.87,-91 v2@351,-32.87 ; v2(350.29,-32.87) 350.29,-8.7 pad.0@579.49,220.51
  other v2: 186,-148
NetC3_2: C3.2 RT.4 | length 64
  Top Layer w12: RT.4 -207,-653 C3.2
NetC9_1: C9.1 STM32.31 | length 68.4
  Top Layer w12: C9.1 -447.05,-452.95 STM32.31
NetC10_1: C10.1 STM32.47 | length 74.9
  Top Layer w12: C10.1 -44.05,-579.05 STM32.47@-44.05,-555
NetD1_2: D1.2 R3.2 | length 50
  Top Layer w12: R3.2 D1.2
NetD2_1: D2.1 R4.1 | length 50
  Top Layer w12: R4.1 D2.1
NetD3_1: D3.1 R21.2 | length 50
  Top Layer w12: R21.2 D3.1
NetD4_1: D4.1 R22.2 | length 50
  Top Layer w12: R22.2 D4.1
NetD5_1: D5.1 R23.2 | length 50
  Top Layer w12: R23.2 D5.1
NetjUSB_2: jUSB.2 R1.1 | length 266.5
  Top Layer w6: R1.1 35.95,-875.94 80,-920 150,-920 169.88,-939.88 jUSB.2
NetjUSB_3: jUSB.3 R2.1 | length 244.7
  Top Layer w6: R2.1 85.95,-880.94 113,-908 163,-908 195.47,-940.47 jUSB.3
NetR7_2: R7.2 STM32J.11 | length 234.3
  Top Layer w6: R7.2 513.95,-518.94 513.95,-575.95 498.47,-591.42 STM32J.11
NetR8_2: R8.2 STM32J.12 | length 334.9
  Top Layer w6: R8.2 256,-446 421,-446 460,-485 STM32J.12@460,-570
NetR9_2: R9.2 STM32J.14 | length 265.2
  Top Layer w6: R9.2 235,-475 382.39,-475 399.53,-492.13 STM32J.14
NetR10_2: R10.2 STM32J.30 | length 62.1
  Top Layer w6: R10.2@85.95,-665 91.1,-670.16 STM32J.30
NetR11_2: R11.2 STM32J.31 | length 120.7
  Top Layer w6: R11.2@35.95,-665 61.79,-690.84 STM32J.31@145.95,-690.84
NetR12_2: R12.2 R15.2 USB.3 | length 129.1
  Top Layer w12: USB.3 -195.47,-900 R15.2 R12.2
NetR14_2: R14.2 USB.2 | length 81
  Top Layer w12: R14.2 -221.06,-904.41 USB.2
OSC1: C12.1 STM32.5 XT.2 | length 295.8
  Top Layer w6: STM32.5 -103.1,6.9 -75,35 XT.2 15,25 C12.1@70,25
OSC2: C13.1 STM32.6 XT.1 | length 217.5
  Top Layer w6: C13.1@-220,25 -165,25 XT.1 -122.79,2.79 STM32.6
PB8: pad.0@575,25 STM32.61 | length 721.1
  Top Layer w6: STM32.61 468.58,-236.42 545,-160 v2(545,-125)
  Bottom Layer w6: v2(545,-125) 545,-5 pad.0@575,25
PB9: pad.0@575,75 STM32.62 | length 746.6
  Top Layer w6: STM32.62 460.43,-216.73 v2(525.32,-151.85)
  Bottom Layer w6: v2(525.32,-151.85) 525.32,25.31 pad.0@575,75
PB10: pad.0@575,425 STM32.29 | length 1373.4
  Top Layer w6: STM32.29 -340.55,-413.58 -129,-202.03 v2(-129,-172.77)
  Bottom Layer w6: v2(-129,-172.77) -129,-142.86 -42.14,-56 29.97,-56 102.97,17 200.03,17 545,361.97 545,395 pad.0@575,425
PB11: pad.0@575,375 STM32.30 | length 1338.5
  Top Layer w6: STM32.30 -343.27,-433.27 -110,-200 v2(-110,-151)
  Bottom Layer w6: v2@-115.09,-145.91 -37.17,-68 34.94,-68 107.94,5 205,5 pad.0@575,375
PC0: pad.0@575,525 STM32.8 | length 1384.7
  Top Layer w6: STM32.8 -162.16,-77.47 -245,5.37 -245,90.51 -226.8,108.71 431.71,108.71 519,196 519,469 pad.0@575,525
PC1: pad.0@575,575 STM32.9 | length 1436.5
  Top Layer w6: STM32.9 -181.84,-77.47 -257,-2.31 -257,95.48 -231.77,120.71 426.74,120.71 507,200.97 507,507 pad.0@575,575
PC2: pad.0@575,625 STM32.10 | length 1488
  Top Layer w6: STM32.10 -201.53,-77.47 -269,-10 -269,100.45 -236.45,133 421.65,133 494.71,206.06 494.71,544.71 pad.0@575,625
PC3: pad.0@575,675 STM32.11 | length 1539.8
  Top Layer w6: STM32.11 -221.21,-77.47 -281,-17.68 -281,105.42 -241.42,145 416.68,145 482.71,211.03 482.71,582.71 pad.0@575,675
PC5: pad.0@575,475 STM32.25 | length 1378.6
  Top Layer w6: STM32.25 -278.78,-334.84 -148,-204.06 v2(-148,-155)
  Bottom Layer w6: v2@-153.56,-150.44 -47.11,-44 25,-44 98,29 195.06,29 530,363.94 530,430 pad.0@575,475
PC6: pad.0@575,325 STM32.37 | length 1331.4
  Top Layer w6: STM32.37 -240.9,-527.47 -235,-521.57 -235,-341.97 -91,-197.97 v2(-91,-169)
  Bottom Layer w6: v2(-91,-169) -91,-138.8 -32.2,-80 39.91,-80 112.91,-7 209.97,-7 541.97,325 pad.0@575,325
PC7: pad.0@575,275 STM32.38 | length 1291.3
  Top Layer w6: STM32.38 -221.21,-345.15 v2@-66.53,-190.47
  Bottom Layer w6: v2(-72,-186.94) -72,-136.77 -27.23,-92 44.88,-92 117.88,-19 214.94,-19 508.94,275 pad.0@575,275
REG: C21.2 MPU.10 | length 63.3
  Top Layer w6: MPU.10 422.13,-17.13 C21.2
RST: C4.2 R5.1 STM32J.7 | length 112
  Top Layer w12: STM32J.7@485.95,-670.16 541.1,-670.16 R5.1 C4.2
SD_CLK: SD.5 STM32.53 | length 170.4
  Bottom Layer w6: SD.5 13.23,-491.77 42,-463 42,-413.9 v2(22,-393.9)
SD_CMD: R26.1 SD.3 STM32.54 | length 340.4
  Top Layer w6: v2@1.5,-566.5 27.29,-540.71 27.29,-523.76 -21,-475.47 -21,-410 14.79,-374.21 STM32.54
  Bottom Layer w12: R26.1 -91.61,-578.39 SD.3
  other v2: -2,-562
SD_D0: R27.1 SD.7 STM32.39 | length 303.5
  Top Layer w6: STM32.39 -201.53,-455.72 -141.81,-396 v1@-80,-396
  Bottom Layer w12: R27.1 -95.16,-405.16 SD.7
  other v1: -80,-405
SD_D1: R28.1 SD.8 STM32.40 | length 282.8
  Top Layer w6: STM32.40 -181.84,-466.84 v1@-130.5,-415.5
  Bottom Layer w6: v1(-129,-417) -129,-392.7 R28.1@-98.15,-361.85
  Bottom Layer w12: R28.1@-98.15,-361.85 SD.8 SD.8@-39.06,-361.85
SD_D2: R24.1 SD.1 STM32.51 | length 403.5
  Top Layer w6: v2@51.29,-570 51.29,-513.82 3,-465.53 3,-443 12.73,-433.27 STM32.51
  Bottom Layer w6: SD.1 -25,-665 48.29,-591.71 v2(48.29,-570)
  Bottom Layer w12: R24.1 -95,-665 SD.1
SD_D3: R25.1 SD.2 STM32.52 | length 373.1
  Top Layer w6: v2@22,-569 39.29,-551.71 39.29,-518.79 -9,-470.5 -9,-438.03 15.45,-413.58 STM32.52
  Bottom Layer w6: SD.2 -26.69,-621.69 v2(22,-573)
  Bottom Layer w12: R25.1 -98.31,-621.69 SD.2
USB_DM: R14.1 STM32.44 | length 334.3
  Top Layer w6: R14.1 -215.47,-810 -177.97,-810 -123.71,-755.74 -123.71,-593.13 STM32.44@-103.1,-572.53
USB_DP: R15.1 STM32.45 | length 322.4
  Top Layer w6: R15.1 R15.1@-175,-830 ; R15.1@-175,-824 -111.5,-760.5 -111.5,-600.61 -83.42,-572.53 STM32.45
USB_ID: STM32.43 USB.4 | length 412
  Top Layer w6: v2(-143,-748) -135.71,-740.71 -135.71,-585.45 STM32.43@-122.79,-572.53
  Top Layer w12: USB.4 v1(-169.88,-920)
  Bottom Layer w6: v1(-169.88,-920) -169.88,-874.88 -143,-848 v2(-143,-748)
USB_VB: R13.1 STM32.42 | length 436.1
  Top Layer w6: R13.1 -360.47,-805 -227.44,-805 -147.71,-725.27 -147.71,-577.76 STM32.42@-142.47,-572.53
VBAT: BATIN.1 POW.3 R19.1 | length 705.6
  Top Layer w6: R19.1 -554,-409 -554,-554.28 -478.28,-630 v1(-465.94,-630) POW.3
  Bottom Layer w18: v1(-465.94,-630) v1(-440.94,-630) -325.94,-745 -215,-745 -170.87,-789.13 BATIN.1
VIN: C1.2 POW.2 RT.1 RT.3 | length 249.6
  Top Layer w12: RT.1 -323,-744.54 -298.46,-720 -270,-720 -247,-743 RT.3
  Top Layer w16: POW.2 -405,-750 C1.2 -358,-747 RT.1
VUSB: jUSB.1 POW.1 R13.2 USB.1 | length 698.4
  Top Layer w12: POW.1 -430.16,-810 -413.39,-826.77 -413.39,-862.09 R13.2 -360.47,-915 -265.47,-915 -246.65,-933.82 USB.1
  Bottom Layer w12: v1(-246.65,-1005) v1(144.29,-1005)
pads on no net: DWM.4 DWM.11 DWM.12 DWM.13 DWM.14 DWM.15 jUSB.4 KEY.3 KEY.4 MPU.2 MPU.3 MPU.4 MPU.5 MPU.6 MPU.7 MPU.14 MPU.15 MPU.16 MPU.17 MPU.19 MPU.21 STM32J.2 STM32J.3 STM32J.4 STM32J.5 STM32J.6 STM32J.13 STM32J.15 STM32J.16 STM32J.17 STM32J.18 STM32J.19 STM32J.20 STM32J.21 STM32J.22 STM32J.25 STM32J.26 STM32J.27 STM32J.28 STM32J.29 STM32J.38 STM32J.39 STM32J.40 STM32J.41 STM32J.42 STM32J.43 STM32J.45 STM32J.46

## Polygon pours and split planes (outlines as drawn)
no net on Keep-Out Layer "NONET_L-01_P-001" (none, remove dead copper): -629.92,-1043.31 -629.92,-838.54 -590.94,-799.57 -590.94,-639.57 -629.92,-600.59 -629.92,-254.52 -605.94,-230.54 -605.94,-109.99 -629.92,-86.02 -629.92,1043.31 cw(c-492.13,1043.31) -492.13,1181.1 492.13,1181.1 cw(c492.13,1043.31) 629.92,1043.31 629.92,-1043.31 cw(c492.13,-1043.31) 492.13,-1181.1 366.58,-1181.1 345.47,-1160 -345.47,-1160 -366.58,-1181.1 -492.13,-1181.1 cw(c-492.13,-1043.31)
GND on Bottom Layer "GND_L02_P001" (solid, remove dead copper, pour order 1): -629.92,-1043.31 -629.92,-838.54 -590.94,-799.57 -590.94,-639.57 -629.92,-600.59 -629.92,-254.52 -605.94,-230.54 -605.94,-109.99 -629.92,-86.02 -629.92,1043.31 cw(c-492.13,1043.31) -492.13,1181.1 492.13,1181.1 cw(c492.13,1043.31) 629.92,1043.31 629.92,-1043.31 cw(c492.13,-1043.31) 492.13,-1181.1 366.58,-1181.1 345.47,-1160 -345.47,-1160 -366.58,-1181.1 -492.13,-1181.1 cw(c-492.13,-1043.31)
GND on Top Layer "GND_L01_P000" (solid, remove dead copper, pour order 0): -629.92,-1043.31 -629.92,-838.54 -590.94,-799.57 -590.94,-639.57 -629.92,-600.59 -629.92,-254.52 -605.94,-230.54 -605.94,-109.99 -629.92,-86.02 -629.92,1043.31 cw(c-492.13,1043.31) -492.13,1181.1 492.13,1181.1 cw(c492.13,1043.31) 629.92,1043.31 629.92,-1043.31 cw(c492.13,-1043.31) 492.13,-1181.1 366.58,-1181.1 345.47,-1160 -345.47,-1160 -366.58,-1181.1 -492.13,-1181.1 cw(c-492.13,-1043.31)

## Other copper
Multi-Layer:
  pour cut-out: -629.92,750 -629.92,1043.31 cw(c-492.13,1043.31) -492.13,1181.1 492.13,1181.1 cw(c492.13,1043.31) 629.92,1043.31 629.92,750 604.92,775 -604.92,775

## Silkscreen, mask and mechanical layers (free items; w line width, h text height)
Top Overlay:
  circle w10: c155,-85 r5
  circle w10: c155,-85 r30
  circle w10: c575,-785 r25
  circle w10: c575,-785 r25
  region: 575,-115 595,-135 555,-135
  lines w6: 555,-135 575,-115 595,-135 555,-135
  lines w10: 130,-25 155,0 ; 155,-55 155,0 ; 180,-25 155,0
  text "SmartIMU Dev" at 285,765 h120 r270
  text "KitSprout" at 390,765 h188 r270
  text "v1.0" at 215,310 h100 r270
  text "X" at 130,20 h100
  text "STM32" at -310,-355 h120
  text "STM32J" at 210,-690 h80
Bottom Overlay:
  drawing of 3460 lines, arcs and shapes, not listed
  text "+" at -100,-750 h100 r180
Mechanical 1:
  lines w2: -366.58,-1181.1 -492.13,-1181.1 cw(c-492.13,-1043.31) -629.92,-1043.31 -629.92,-838.54 -590.94,-799.57 -590.94,-639.57 -629.92,-600.59 -629.92,-254.52 -605.94,-230.54 -605.94,-109.99 -629.92,-86.02 -629.92,1043.31 cw(c-492.13,1043.31) -492.13,1181.1 492.13,1181.1 cw(c492.13,1043.31) 629.92,1043.31 629.92,-1043.31 cw(c492.13,-1043.31) 492.13,-1181.1 366.58,-1181.1 345.47,-1160 -345.47,-1160 -366.58,-1181.1 ; -366.58,-1181.1 -366.58,-1181.1
T-Component:
  circle w2: c492.13,-1043.31 r137.8
  circle w2: c-492.13,-1043.31 r137.8
  circle w2: c492.13,1043.31 r137.8
  circle w2: c-492.13,1043.31 r137.8